# Altium PCB SSR IO copy.PcbDoc (continued)
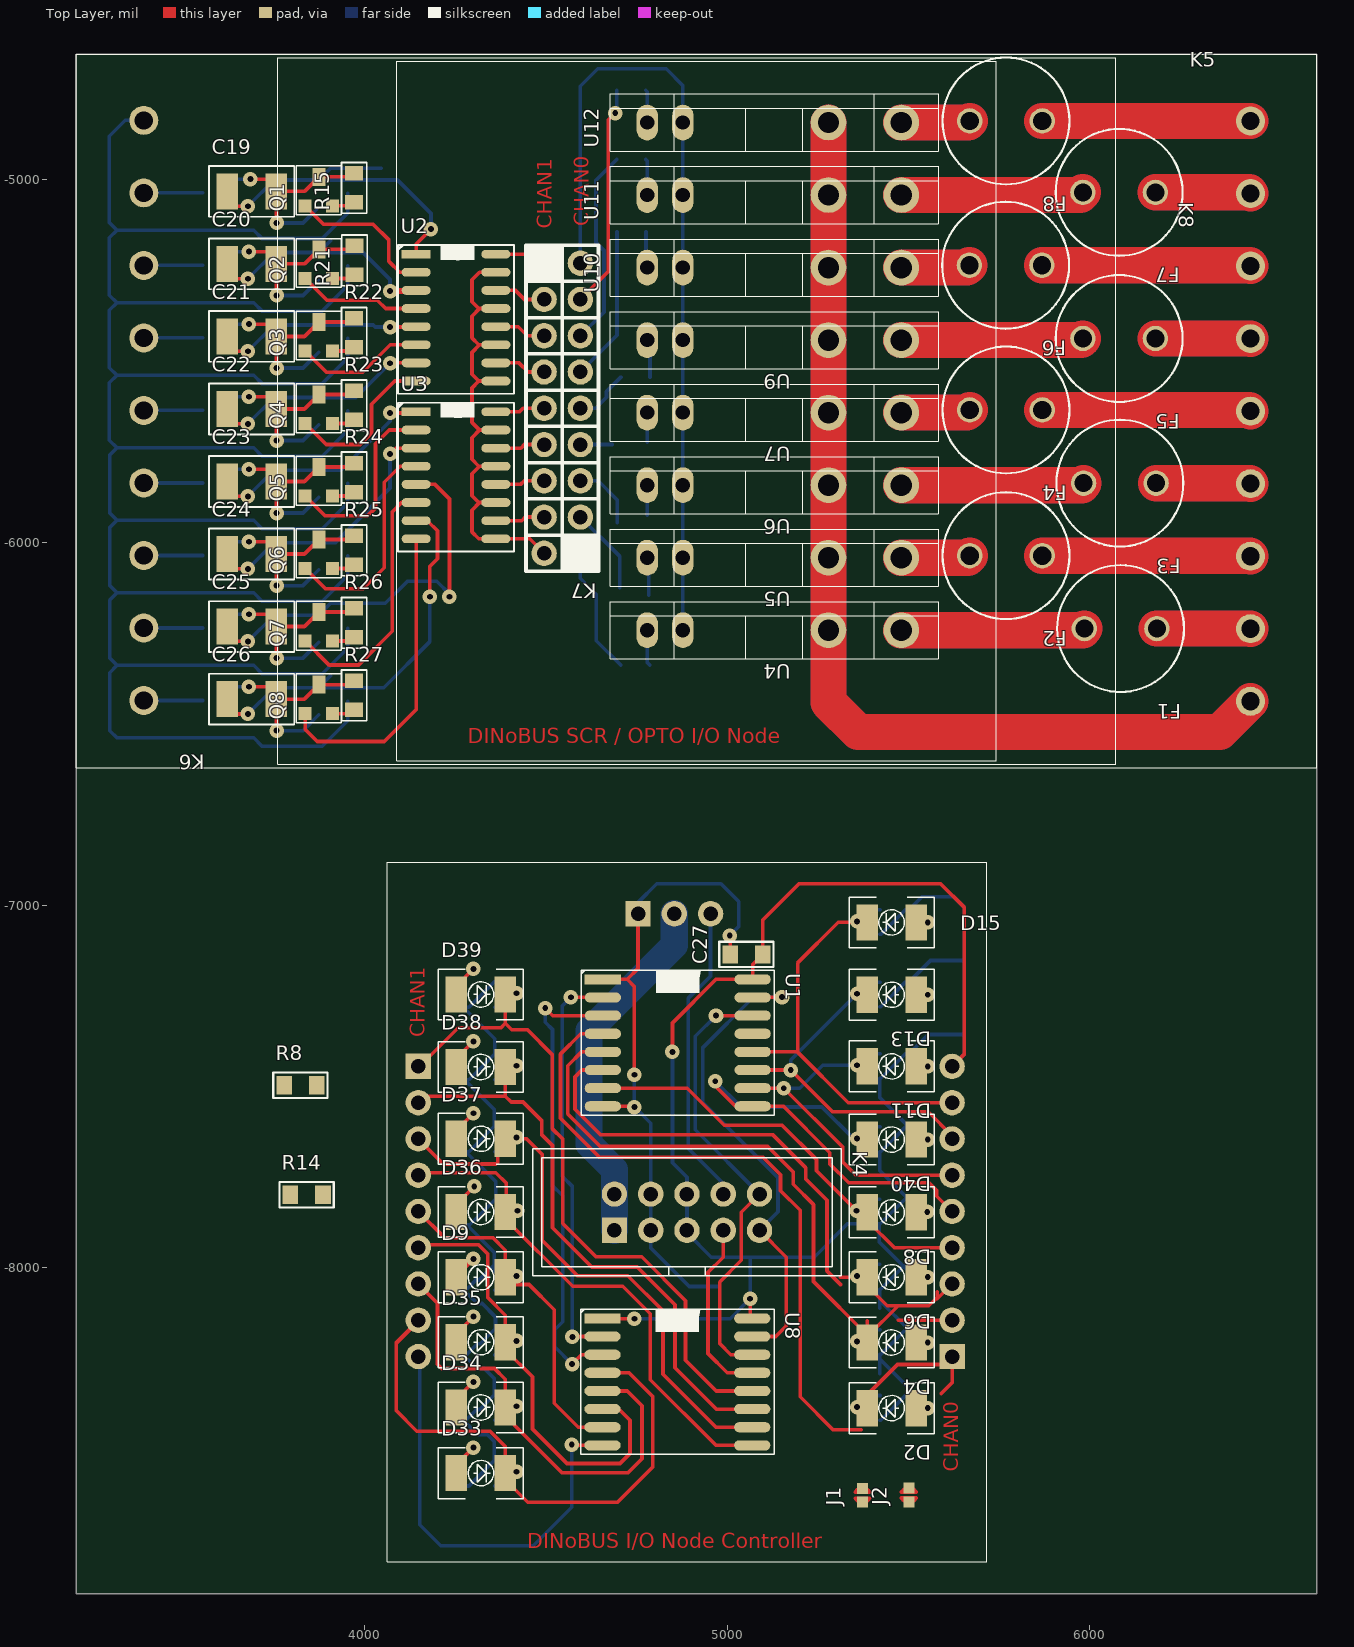
[diagram p0: Top Layer view]
## Nets (pads, with @x,y where several pads share a name; then routed paths per layer and width w, separated by ;. In a path a pad name is that pad's centre, name@x,y a point inside that pad or via, vN(x,y) a via of type N, cw(c..) or ccw(c..) an arc to the next point about the centre after c; other vN are vias at no path point) (continued)
NetC19_1: C19.1 D17.2 D18.2 U2.1 | length 1037.2
  Top Layer w10: C19.1 3631.25,-5042.25 3631.25,-5059.25 3645,-5073 v1(3678,-5073) ; U2.1@4163,-5205 U2.1 4142,-5177 v1(4183,-5136)
  Bottom Layer w10: D18.2 v1(3678,-5073) 3750.52,-5000.48 D17.2 ; 4045,-4968 3906,-4968 D17.2 ; v1(4183,-5136) 4183,-5093 4090.48,-5000.48 D17.2
NetC19_2: C19.2 D17.1 D18.1 Q1.G R15.2 | length 600.5
  Top Layer w10: v1@3680,-4998 C19.2@3780,-4998 ; v1(3757,-5119) 3757,-5033 C19.2 3834,-5032 Q1.G R15.2@3971,-4992
  Bottom Layer w10: D18.1 v1@3680,-4998 ; v1(3757,-5119) 3830,-5119 D17.1
  other v1: 3685,-4998
NetC20_1: C20.1 D19.2 D20.2 U2.3 | length 732.6
  Top Layer w10: C20.1 3631.25,-5242.25 3631.25,-5259.25 3645,-5273 v1(3678,-5273)
  Top Layer w16: v1(4070,-5307) 4140,-5307 U2.3
  Bottom Layer w10: D20.2 v1(3678,-5273) 3750.52,-5200.48 D19.2 ; 3906,-5168 D19.2 ; v1@4070,-5306 4070,-5275 3995.48,-5200.48 D19.2
  Bottom Layer w16: v1(4070,-5307) v1@4070,-5306
NetC20_2: C20.2 D19.1 D20.1 Q2.G R21.2 | length 599.1
  Top Layer w10: v1@3680,-5198 C20.2@3780,-5198 ; C20.2 3834,-5232 Q2.G R21.2@3971,-5192 ; v1(3757,-5319) C20.2@3757,-5233
  Bottom Layer w10: D20.1 v1@3680,-5198 ; v1(3757,-5319) 3830,-5319 D19.1
  other v1: 3681,-5198
NetC21_1: C21.1 D21.2 D22.2 U2.5 | length 625.7
  Top Layer w10: C21.1 3631.25,-5442.25 3631.25,-5459.25 3645,-5473 v1(3678,-5473) ; v1(4070,-5406) 4141,-5406 U2.5
  Bottom Layer w10: D22.2 v1(3678,-5473) 3750.52,-5400.48 D21.2 4023.48,-5400.48 4029,-5406 v1(4070,-5406)
NetC21_2: C21.2 D21.1 D22.1 Q3.G R22.2 | length 599.1
  Top Layer w10: v1@3680,-5398 C21.2@3780,-5398 ; C21.2 3834,-5432 Q3.G R22.2@3971,-5392 ; v1(3757,-5519) C21.2@3757,-5433
  Bottom Layer w10: D22.1 v1@3680,-5398 ; v1(3757,-5519) 3830,-5519 D21.1
  other v1: 3681,-5398
NetC22_1: C22.1 D23.2 D24.2 U2.7 | length 662.5
  Top Layer w10: C22.1 3631.25,-5642.25 3631.25,-5659.25 3645,-5673 v1(3678,-5673) ; v1(4070,-5506) 4071,-5505 U2.7
  Bottom Layer w10: D24.2 v1(3678,-5673) 3750.52,-5600.48 D23.2 3975.52,-5600.48 v1(4070,-5506)
NetC22_2: C22.2 D23.1 D24.1 Q4.G R23.2 | length 599.1
  Top Layer w10: v1@3680,-5598 C22.2@3780,-5598 ; C22.2 3834,-5632 Q4.G R23.2@3971,-5592 ; v1(3757,-5719) C22.2@3757,-5633
  Bottom Layer w10: D24.1 v1@3680,-5598 ; v1(3757,-5719) 3830,-5719 D23.1
  other v1: 3681,-5598
NetC23_1: C23.1 D25.2 D26.2 U3.1 | length 702.9
  Top Layer w10: C23.1 3631.25,-5842.25 3631.25,-5859.25 3645,-5873 v1(3678,-5873) ; v1(4070,-5643) 4139,-5643 U3.1
  Bottom Layer w10: D26.2 v1(3678,-5873) 3750.52,-5800.48 3935.52,-5800.48 4070,-5666 v1(4070,-5643)
NetC23_2: C23.2 D25.1 D26.1 Q5.G R24.2 | length 599.1
  Top Layer w10: v1@3680,-5798 C23.2@3780,-5798 ; C23.2 3834,-5832 Q5.G R24.2@3971,-5792 ; v1(3757,-5919) C23.2@3757,-5833
  Bottom Layer w10: D26.1 v1@3680,-5798 ; v1(3757,-5919) 3830,-5919 D25.1
  other v1: 3681,-5798
NetC24_1: C24.1 D27.2 D28.2 U3.3 | length 785.9
  Top Layer w10: C24.1 3631.25,-6042.25 3631.25,-6059.25 3645,-6073 v1(3678,-6073) ; v1(4070,-5756) 4086,-5740 U3.3
  Bottom Layer w10: D28.2 v1(3678,-6073) 3750.52,-6000.48 D27.2 3919.52,-6000.48 4070,-5850 v1(4070,-5756)
NetC24_2: C24.2 D27.1 D28.1 Q6.G R25.2 | length 599.1
  Top Layer w10: v1@3680,-5998 C24.2@3780,-5998 ; C24.2 3834,-6032 Q6.G R25.2@3971,-5992 ; v1(3757,-6119) C24.2@3757,-6033
  Bottom Layer w10: D28.1 v1@3680,-5998 ; v1(3757,-6119) 3830,-6119 D27.1
  other v1: 3681,-5998
NetC25_1: C25.1 D29.2 D30.2 U3.5 | length 1154.8
  Top Layer w10: C25.1 3631.25,-6242.25 3631.25,-6259.25 3645,-6273 v1(3678,-6273) ; U3.5 4194,-5840 4234,-5880 v1(4234,-6150)
  Bottom Layer w10: D30.2 v1(3678,-6273) 3750.52,-6200.48 D29.2 3906,-6168 4057,-6168 4118,-6107 4199,-6107 4234,-6142 v1(4234,-6150)
NetC25_2: C25.2 D29.1 D30.1 Q7.G R26.2 | length 599.1
  Top Layer w10: v1@3680,-6198 C25.2@3780,-6198 ; C25.2 3834,-6232 Q7.G R26.2@3971,-6192 ; v1(3757,-6319) C25.2@3757,-6233
  Bottom Layer w10: D30.1 v1@3680,-6198 ; v1(3757,-6319) 3830,-6319 D29.1
  other v1: 3681,-6198
NetC26_1: C26.1 D31.2 D32.2 U3.7 | length 1144
  Top Layer w10: C26.1 3631.25,-6442.25 3631.25,-6459.25 3645,-6473 v1(3678,-6473) ; U3.7 4173,-5940 4201,-5968 4201,-6045 4180,-6066 v1(4180,-6150)
  Bottom Layer w10: D32.2 v1(3678,-6473) 3750.52,-6400.48 D31.2 ; 3906,-6368 D31.2 ; v1(4180,-6150) 4180,-6273 4052.52,-6400.48 D31.2
NetC26_2: C26.2 D31.1 D32.1 Q8.G R27.2 | length 599.1
  Top Layer w10: v1@3680,-6398 C26.2@3780,-6398 ; C26.2 3834,-6432 Q8.G R27.2@3971,-6392 ; v1(3757,-6519) C26.2@3757,-6433
  Bottom Layer w10: D32.1 v1@3680,-6398 ; v1(3757,-6519) 3830,-6519 D31.1
  other v1: 3681,-6398
NetD2_A: D2.A R43.1 | length 97.4
  Top Layer w10: D2.A v1(5553,-8387.42)
  Bottom Layer w10: R43.1 5519.83,-8420.58 v1(5553,-8387.42)
NetD2_K: D2.K K2.1 R35.1 U1.4 | length 2299.8
  Top Layer w10: U1.4 4596,-7355 4540,-7411 4540,-7588 4647,-7695 5098,-7695 5147,-7744 5147,-7788 5201,-7842 5201,-8356 5292.42,-8447.42 5369,-8447.42 ; D2.K@5369,-8387.42 D2.K ; D2.K@5369,-8367.42 5469.42,-8267 K2.1@5590,-8267 ; 5590,-8347 5620,-8317 K2.1
  Bottom Layer w10: v1(5358,-8384.58) 5390.11,-8352.48 R35.1
NetD4_A: D4.A R44.1 | length 97.4
  Top Layer w10: D4.A v1(5553,-8206.42)
  Bottom Layer w10: R44.1 5519.83,-8239.58 v1(5553,-8206.42)
NetD4_K: D4.K K2.2 R36.1 U1.5 | length 1874.4
  Top Layer w10: U1.5 4598,-7405 4560,-7443 4560,-7576 4650,-7666 5112,-7666 5182,-7736 5182,-7770 5238,-7826 5238,-8038 D4.K@5386.3,-8186.3 ; D4.K D4.K@5386.3,-8190 ; 5386.3,-8146.3 D4.K@5386.3,-8190 ; 5471.3,-8145 K2.2 ; 5471.3,-8105 D4.K@5386.3,-8190
  Bottom Layer w10: v1(5358,-8203.58) 5390.11,-8171.48 R36.1
NetD6_A: D6.A R45.1 | length 97.4
  Top Layer w10: D6.A@5521.25,-8025.92 v1(5552.94,-8025.92)
  Bottom Layer w10: R45.1 5519.78,-8059.09 v1(5552.94,-8025.92)
NetD6_K: D6.K K2.3 R37.1 U1.6 | length 1711.8
  Top Layer w10: U1.6 4599,-7455 4580,-7474 4580,-7563 4650,-7633 5125,-7633 5216,-7724 5216,-7755 5275,-7814 5275,-8009 5312.42,-8046.42 ; 5312.42,-8026.42 D6.K 5386.3,-8050.08 5441.22,-8105 5556,-8105 5579,-8082 5579,-8066 ; 5579,-8086 K2.3
  Bottom Layer w10: v1(5357.94,-8023.09) 5390.05,-7990.98 R37.1
NetD8_A: D8.A R46.1 | length 97.4
  Top Layer w10: D8.A@5519.94,-7846.09 v1(5551.64,-7846.09)
  Bottom Layer w10: R46.1 5518.47,-7879.26 v1(5551.64,-7846.09)
NetD8_K: D8.K K2.4 R38.1 U1.7 | length 1221.6
  Top Layer w10: U1.7 4890,-7505 4992,-7607 5151,-7607 5246,-7702 5246,-7732.62 v1(5356.64,-7843.26) ; D8.K 5386.3,-7870.3 5461,-7945 K2.4
  Bottom Layer w10: v1(5356.64,-7843.26) 5388.75,-7811.15 R38.1
NetD9_A: D9.A R3.1 | length 93.6
  Top Layer w10: D9.A@4253,-8003 D9.A@4253,-8023 ; v1(4300,-7976) D9.A@4253,-8023 ; D9.A@4253,-8023 D9.A D9.A@4253,-8023
NetD9_K: D9.K K1.5 R30.1 U8.7 | length 1017.2
  Top Layer w10: K1.5 4220,-7917 4353,-7917 4388,-7952 D9.K ; D9.K@4388,-8046.58 4453.58,-8046.58 4523,-8116 4523,-8374 4589,-8440 U8.7
  Bottom Layer w10: R30.1 4380,-8062 v1(4419,-8023)
NetD11_A: D11.A R48.1 | length 97.4
  Top Layer w10: D11.A v1(5553,-7444.83)
  Bottom Layer w10: R48.1 5519.83,-7478 v1(5553,-7444.83)
NetD11_K: D11.K K2.6 R40.1 U1.10 | length 978
  Top Layer w10: U1.10 v1(5156,-7505) 5319,-7668 5319,-7709 5355,-7745 K2.6
  Bottom Layer w10: v1(5156,-7505) 5200,-7505 5263,-7442 v1(5358,-7442) 5390.11,-7409.89 R40.1
NetD13_A: D13.A R49.1 | length 97.4
  Top Layer w10: D13.A v1(5553,-7247.42)
  Bottom Layer w10: R49.1 5519.83,-7280.58 v1(5553,-7247.42)
NetD13_K: D13.K K2.7 R41.1 U1.11 | length 996.6
  Top Layer w10: U1.11 v1(5175,-7455) 5290,-7570 5554,-7570 5620,-7636 K2.7
  Bottom Layer w10: v1(5175,-7455) 5175,-7427.58 v1(5358,-7244.58) 5390.11,-7212.48 R41.1
NetD15_A: D15.A R50.1 | length 97.4
  Top Layer w10: D15.A v1(5553,-7047.83)
  Bottom Layer w10: R50.1 5519.83,-7081 v1(5553,-7047.83)
NetD15_K: D15.K K2.8 R42.1 U1.12 | length 1168.2
  Top Layer w10: U1.12 5194,-7405 ; D15.K 5306.17,-7047.83 5194,-7160 5194,-7405 ; K2.8 5334,-7545 5194,-7405
  Bottom Layer w10: v1(5358,-7045) 5390.11,-7012.89 R42.1
NetD17_3: D17.3 D19.3 D21.3 D23.3 D25.3 D27.3 D29.3 D31.3 K6.1 | length 7733.4
  Bottom Layer w10: K6.1 3340,-4836 3296,-4880 3296,-5118 3317,-5139 ; D31.3 3953.52,-6491.48 3883,-6562 3717,-6562 3694,-6539 3317,-6539 3297,-6519 3297,-6359 3317,-6339 ; D29.3 3953.52,-6291.48 3883,-6362 3717,-6362 3694,-6339 3317,-6339 ; D27.3 3953.52,-6091.48 3883,-6162 3717,-6162 3694,-6139 3317,-6139 ; D25.3 3953.52,-5891.48 3883,-5962 3717,-5962 3694,-5939 3317,-5939 ; D23.3 3953.52,-5691.48 3883,-5762 3717,-5762 3694,-5739 3317,-5739 ; D21.3 3953.52,-5491.48 3883,-5562 3717,-5562 3694,-5539 3317,-5539 ; D19.3 3953.52,-5291.48 3883,-5362 3717,-5362 3694,-5339 3317,-5339 ; D17.3 3953.52,-5091.48 3883,-5162 3717,-5162 3694,-5139 3317,-5139 ; 3317,-6339 3297,-6319 3297,-6159 3317,-6139 ; 3317,-6139 3297,-6119 3297,-5959 3317,-5939 ; 3317,-5939 3297,-5919 3297,-5759 3317,-5739 ; 3317,-5739 3296,-5718 3296,-5560 3317,-5539 ; 3317,-5539 3296,-5518 3296,-5360 3317,-5339 ; 3317,-5339 3296,-5318 3296,-5160 3317,-5139
NetD18_3: D18.3 K6.2 | length 169
  Bottom Layer w10: K6.2 D18.3 D18.3@3546,-5036
NetD20_3: D20.3 K6.3 | length 162
  Bottom Layer w10: K6.3 D20.3
NetD22_3: D22.3 K6.4 | length 162
  Bottom Layer w10: K6.4 D22.3
NetD24_3: D24.3 K6.5 | length 162
  Bottom Layer w10: K6.5 D24.3
NetD26_3: D26.3 K6.6 | length 162
  Bottom Layer w10: K6.6 D26.3
NetD28_3: D28.3 K6.7 | length 162
  Bottom Layer w10: K6.7 D28.3
NetD30_3: D30.3 K6.8 | length 162
  Bottom Layer w10: K6.8 D30.3
NetD32_3: D32.3 K6.9 | length 162
  Bottom Layer w10: K6.9 D32.3
NetD33_A: D33.A R1.1 | length 90.1
  Top Layer w10: D33.A 4253,-8543 v1(4300,-8496)
NetD33_K: D33.K K1.8 R9.1 U8.4 | length 1708.6
  Top Layer w10: K1.8 4087,-8206 4087,-8209.58 ; K1.8@4152,-8144.58 4087,-8209.58 ; U8.4 4729,-8290 4795,-8356 4795,-8549 4697.42,-8646.58 4449.58,-8646.58 4388,-8585 D33.K 4388,-8493 4346,-8451 4144,-8451 4087,-8394 4087,-8209.58
  Bottom Layer w10: R9.1 4380,-8602 v1(4419,-8563)
NetD34_A: D34.A R2.1 | length 90.1
  Top Layer w10: D34.A 4253,-8362 v1(4300,-8315)
NetD34_K: D34.K K1.7 R28.1 U8.5 | length 1354.7
  Top Layer w10: K1.7 4201,-8098 4201,-8266 4213,-8278 4358,-8278 4388,-8308 D34.K 4388,-8409 4545,-8566 4726,-8566 4765,-8527 4765,-8381 4724,-8340 U8.5
  Bottom Layer w10: R28.1 4380,-8421 v1(4419,-8382)
NetD35_A: D35.A R13.1 | length 90.1
  Top Layer w10: D35.A 4253,-8182 v1(4300,-8135)
NetD35_K: D35.K K1.6 R29.1 U8.6 | length 1335.7
  Top Layer w10: K1.6@4169.41,-7962 4152,-7944.58 4159.58,-7937 4314,-7937 4340,-7963 4340,-8083 4388,-8131 D35.K 4388,-8226 4463,-8301 4463,-8445 4558,-8540 4704.42,-8540 4732,-8512.42 4732,-8421 4701,-8390 U8.6
  Bottom Layer w10: R29.1 4380,-8241 v1(4419,-8202)
NetD36_A: D36.A R4.1 | length 90.1
  Top Layer w10: D36.A@4255.4,-7846.58 4255.4,-7823 v1(4302.4,-7776)
NetD36_K: D36.K K1.4 R31.1 U8.9 | length 1475.4
  Top Layer w10: K1.4@4152,-7744.58 4158.58,-7738 4362,-7738 4390.4,-7766.4 4390.4,-7844.18 D36.K 4388,-7866 4573.59,-8051.59 4712.12,-8051.59 4788,-8127.47 4788,-8309 4969,-8490 U8.9
  Bottom Layer w10: R31.1 4382.4,-7882 v1(4421.4,-7843)
NetD37_A: D37.A R5.1 | length 90.1
  Top Layer w10: D37.A 4253,-7621 v1(4300,-7574)
NetD37_K: D37.K K1.3 R32.1 U8.10 | length 1591.6
  Top Layer w10: K1.3 4217,-7714 4362,-7714 4367,-7709 4367,-7695 ; D37.K 4446.58,-7644.58 4490,-7688 4490,-7925 4587,-8022 4726,-8022 4823,-8119 4823,-8294 4969,-8440 U8.10
  Bottom Layer w10: R32.1 4380,-7680 v1(4419,-7641)
NetD38_A: D38.A R6.1 | length 90.1
  Top Layer w10: D38.A 4253,-7423 v1(4300,-7376)
NetD38_K: D38.K K1.2 R33.1 U8.11 | length 1696.1
  Top Layer w10: K1.2@4152,-7544.58 4169.58,-7527 4388,-7527 ; D38.K 4388,-7527 ; U8.11 4970,-8390 4856,-8276 4856,-8102 4752,-7998 4626,-7998 4518,-7890 4518,-7663 4488,-7633 4488,-7594 4437,-7543 4404,-7543 4388,-7527
  Bottom Layer w10: R33.1 4380,-7482 v1(4419,-7443)
NetD39_A: D39.A R7.1 | length 90.1
  Top Layer w10: D39.A 4253,-7223 v1(4300,-7176)
NetD39_K: D39.K K1.1 R34.1 U8.12 | length 1893.8
  Top Layer w10: K1.1@4152,-7444.58 4258.58,-7338 4376,-7338 4388,-7326 ; D39.K 4388,-7326 ; U8.12 4970,-8340 4885,-8255 4885,-8091 4764,-7970 4638,-7970 4546,-7878 4546,-7645 4517,-7616 4517,-7412 4449,-7344 4406,-7344 4388,-7326
  Bottom Layer w10: R34.1 4380,-7282 v1(4419,-7243)
NetD40_A: D40.A R47.1 | length 97.4
  Top Layer w10: D40.A v1(5553,-7646.83)
  Bottom Layer w10: R47.1 5519.83,-7680 v1(5553,-7646.83)
NetD40_K: D40.K K2.5 R39.1 U1.9 | length 1369.7
  Top Layer w10: v1(4967,-7486) 4967,-7499 5023,-7555 U1.9 5155,-7555 5283,-7683 5283,-7714 5335,-7766 5557,-7766 5578,-7787 5578,-7803 K2.5
  Bottom Layer w10: v1(4967,-7486) 5038,-7557 5261,-7557 5348,-7644 v1(5358,-7644) 5390.11,-7611.89 R39.1
NetF1_1: F1.1 K5.2 | length 516.9
  Top Layer w100: F1.1 6442.58,-6237.58 K5.2
  Bottom Layer w100: F1.1 6442.58,-6237.58 K5.2
NetF1_2: F1.2 U4.AC1 | length 1013.1
  Top Layer w100: U4.AC1 5980.31,-6242 F1.2
  Bottom Layer w100: U4.AC1 5980.31,-6242 F1.2
NetF2_1: F2.1 K5.3 | length 1149.7
  Top Layer w100: F2.1 6441.58,-6036.58 K5.3
  Bottom Layer w100: F2.1 6441.58,-6036.58 K5.3
NetF2_2: F2.2 U5.AC1 | length 381.9
  Top Layer w100: U5.AC1 5663.31,-6042 F2.2
  Bottom Layer w100: U5.AC1 5663.31,-6042 F2.2
NetF3_1: F3.1 K5.4 | length 521.7
  Top Layer w100: F3.1 6441.58,-5836.58 K5.4
  Bottom Layer w100: F3.1 6441.58,-5836.58 K5.4
NetF3_2: F3.2 U6.AC1 | length 1009.9
  Top Layer w100: U6.AC1 5977.31,-5842 F3.2
  Bottom Layer w100: U6.AC1 5977.31,-5842 F3.2
NetF4_1: F4.1 K5.5 | length 1151.4
  Top Layer w100: F4.1 6439.58,-5634.58 K5.5
  Bottom Layer w100: F4.1 6439.58,-5634.58 K5.5
NetF4_2: F4.2 U7.AC1 | length 383.6
  Top Layer w100: U7.AC1 5661.31,-5642 F4.2
  Bottom Layer w100: U7.AC1 5661.31,-5642 F4.2
NetF5_1: F5.1 K5.6 | length 524.9
  Top Layer w100: F5.1 6442.58,-5437.58 K5.6
  Bottom Layer w100: F5.1 6442.58,-5437.58 K5.6
NetF5_2: F5.2 U9.AC1 | length 1005.1
  Top Layer w100: U9.AC1 5976.31,-5442 F5.2
  Bottom Layer w100: U9.AC1 5976.31,-5442 F5.2
NetF6_1: F6.1 K5.7 | length 1152.5
  Top Layer w100: F6.1 6440.58,-5235.58 K5.7
  Bottom Layer w100: F6.1 6440.58,-5235.58 K5.7
NetF6_2: F6.2 U10.AC1 | length 380.8
  Top Layer w100: U10.AC1 5661.31,-5242 F6.2
  Bottom Layer w100: U10.AC1 5661.31,-5242 F6.2
NetF7_1: F7.1 K5.8 | length 527.4
  Top Layer w100: F7.1 6439.58,-5034.58 K5.8
  Bottom Layer w100: F7.1 6439.58,-5034.58 K5.8
NetF7_2: F7.2 U11.AC1 | length 1007.6
  Top Layer w100: U11.AC1 5973.31,-5042 F7.2
  Bottom Layer w100: U11.AC1 5973.31,-5042 F7.2
NetF8_1: F8.1 K5.9 | length 1148.9
  Top Layer w100: F8.1 6442.58,-4837.58 K5.9
  Bottom Layer w100: F8.1 6442.58,-4837.58 K5.9
NetF8_2: F8.2 U12.AC1 | length 381.1
  Top Layer w100: U12.AC1 5664.31,-4842 F8.2
  Bottom Layer w100: U12.AC1 5664.31,-4842 F8.2
NetJ1_1: J1.1 R8.1 U1.3 U8.3 | length 1293.3
  Top Layer w10: v1(4498,-7284) 4519,-7305 U1.3 ; v1(4572,-8266) 4598,-8240 U8.3
  Bottom Layer w10: v1(4498,-7284) 4498,-7323 4518,-7343 4518,-7774 4546,-7802 4546,-8149 4524,-8171 4524,-8218 v1(4572,-8266)
NetJ2_1: J2.1 R14.1 U1.2 U8.2 | length 1129.7
  Top Layer w10: v1(4569,-7254.5) 4656.5,-7254.5 U1.2 ; v1(4573,-8191) 4574,-8190 U8.2
  Bottom Layer w10: v1(4569,-7254.5) 4545,-7278.5 4545,-7748 4573,-7776 v1(4573,-8191)
NetK3_2: K3.2 K4.1 K4.2 | length 999.3
  Bottom Layer w75: K4.1 K4.2 4689,-7729.5 4619,-7659.5 4619,-7346 4854,-7111 K3.2
NetK3_3: K3.3 K4.8 | length 838.9
  Bottom Layer w10: K3.3 4954,-7196 4892,-7258 4892,-7671 4989,-7768 K4.8
NetK4_7: K4.7 U8.13 | length 501.4
  Top Layer w10: K4.7 4989,-7971 4947,-8013 4947,-8237 5000,-8290 U8.13
NetK4_9: K4.9 U1.15 U8.15 | length 1369.2
  Top Layer w10: U8.15 5134,-8190 5163,-8161 5163,-7971 K4.9 ; U1.15 5071,-7254 v1(5151,-7254)
  Bottom Layer w10: K4.9 5139.85,-7846.15 5139.85,-7751.85 4932,-7544 4932,-7394 5072,-7254 v1(5151,-7254)
NetK4_10: K4.10 U1.14 U8.14 | length 1250.3
  Top Layer w10: v1(4969,-7305) U1.14 ; U8.14 5010,-8240 4979,-8209 4979,-8039.79 5039,-7979.79 5039,-7847 K4.10
  Bottom Layer w10: v1(4969,-7305) 4912,-7362 4912,-7620 K4.10
NetK5_1: K5.1 U4.AC2 U5.AC2 U6.AC2 U7.AC2 U9.AC2 U10.AC2 U11.AC2 U12.AC2 | length 5664.2
  Top Layer w100: U12.AC2 U11.AC2 U10.AC2 U9.AC2 U7.AC2 U6.AC2 5279.21,-6441.21 5361,-6523 6358,-6523 K5.1
  Bottom Layer w100: U12.AC2 U11.AC2 U10.AC2 U9.AC2 U7.AC2 U6.AC2 5279.21,-6441.21 5361,-6523 6358,-6523 K5.1
NetK7_1: K7.1 R10.1 | length 354
  Bottom Layer w10: K7.1 4595,-6099 4639,-6143 4639,-6271 R10.1
NetK7_2: K7.2 R11.1 | length 240.3
  Bottom Layer w10: K7.2 4704,-6039 R11.1@4704,-6125.14
NetK7_3: K7.3 R12.1 | length 186
  Bottom Layer w10: K7.3 4644.12,-5830 4697,-5882.88 R12.1
NetK7_4: K7.4 R16.1 | length 87.8
  Bottom Layer w10: K7.4 R16.1@4682.8,-5730
NetK7_5: K7.5 R17.1 | length 157
  Bottom Layer w10: K7.5 4637,-5630 4667,-5600 4667,-5584 R17.1
NetK7_6: K7.6 R18.1 | length 427.8
  Bottom Layer w10: K7.6 4696,-5429 R18.1@4696,-5144
NetK7_7: K7.7 R19.1 | length 545.6
  Bottom Layer w10: K7.7 4660,-5365 4660,-5195 4638,-5173 4638,-5001 R19.1@4695,-4944
NetK7_8: K7.8 R20.1 | length 618.4
  Top Layer w10: K7.8 4672,-5253 4672,-4835 v1(4691,-4816)
  Bottom Layer w10: v1(4691,-4816) 4695,-4812 R20.1@4695,-4753
NetK7_9: K7.9 U4.A U5.A U6.A U7.A U9.A U10.A U11.A U12.A | length 2311.8
  Bottom Layer w10: K7.9 4595,-4742 4643,-4694 4832,-4694 4877.64,-4739.64 U12.A U11.A U10.A U9.A U7.A U6.A U5.A U4.A
NetK8_1: K8.1 U2.16 | length 143.4
  Top Layer w10: U2.16 4470,-5205 K8.1
NetK8_2: K8.2 U2.14 | length 143.4
  Top Layer w10: U2.14 4416,-5305 4441,-5330 K8.2
NetK8_3: K8.3 U2.12 | length 143.4
  Top Layer w10: U2.12 4424,-5405 4449,-5430 K8.3
NetK8_4: K8.4 U2.10 | length 143.4
  Top Layer w10: U2.10 4426,-5505 4451,-5530 K8.4
NetK8_5: K8.5 U3.16 | length 137.1
  Top Layer w10: U3.16 4427,-5640 4437,-5630 K8.5
NetK8_6: K8.6 U3.14 | length 137.1
  Top Layer w10: U3.14 4431,-5740 4441,-5730 K8.6
NetK8_7: K8.7 U3.12 | length 137.1
  Top Layer w10: U3.12 4430,-5840 4440,-5830 K8.7
NetK8_8: K8.8 U3.10 | length 137.1
  Top Layer w10: U3.10 4433,-5940 4443,-5930 K8.8
NetK8_9: K8.9 U2.9 U2.11 U2.13 U2.15 U3.9 U3.11 U3.13 U3.15 | length 1364.6
  Top Layer w10: 4315,-5890 4296,-5871 4296,-5811 4317,-5790 U3.13 ; 4315,-5790 4296,-5771 4296,-5711 4317,-5690 ; 4315,-5455 4296,-5436 4296,-5376 4317,-5355 U2.13 ; 4315,-5355 4296,-5336 4296,-5276 4317,-5255 U2.15 ; U3.11 4317,-5890 4296,-5911 4296,-5971 4315,-5990 U3.9 4455,-5990 K8.9 ; U3.15 4317,-5690 ; U2.9 4315,-5555 ; U2.11 4317,-5455 4296,-5476 4296,-5536 4315,-5555 ; 4315,-5555 4296,-5574 4296,-5669 4317,-5690
NetQ1_D: Q1.D U2.2 | length 416.4
  Top Layer w10: Q1.D 3887,-5123 4024,-5123 4067,-5166 4067,-5225 4097,-5255 U2.2
NetQ1_S: Q1.S R15.1 | length 60
  Top Layer w10: Q1.S R15.1@3971,-5072
NetQ2_D: Q2.D U2.4 | length 340.4
  Top Layer w10: Q2.D 3896,-5332 4035,-5332 4058,-5355 U2.4
NetQ2_S: Q2.S R21.1 | length 60
  Top Layer w10: Q2.S R21.1@3971,-5272
NetQ3_D: Q3.D U2.6 | length 361.9
  Top Layer w10: Q3.D 3895,-5531 3995,-5531 4071,-5455 U2.6
NetQ3_S: Q3.S R22.1 | length 60
  Top Layer w10: Q3.S R22.1@3971,-5472
NetQ4_D: Q4.D U2.8 | length 449.4
  Top Layer w10: Q4.D 3894,-5730 3988,-5730 4019,-5699 4019,-5619 4083,-5555 U2.8
NetQ4_S: Q4.S R23.1 | length 60
  Top Layer w10: Q4.S R23.1@3971,-5672
NetQ5_D: Q5.D U3.2 | length 529.8
  Top Layer w10: Q5.D 3890,-5926 4009,-5926 4030,-5905 4030,-5728 4068,-5690 U3.2
NetQ5_S: Q5.S R24.1 | length 60
  Top Layer w10: Q5.S R24.1@3971,-5872
NetQ6_D: Q6.D U3.4 | length 607.4
  Top Layer w10: Q6.D 3892,-6128 3996,-6128 4054,-6070 4054,-5834 4098,-5790 U3.4
NetQ6_S: Q6.S R25.1 | length 60
  Top Layer w10: Q6.S R25.1@3971,-6072
NetQ7_D: Q7.D U3.6 | length 711.7
  Top Layer w10: Q7.D 3902,-6338 3983,-6338 4076,-6245 4076,-5915.88 4101.88,-5890 U3.6
NetQ7_S: Q7.S R26.1 | length 60
  Top Layer w10: Q7.S R26.1@3971,-6272
NetQ8_D: Q8.D U3.8 | length 871.1
  Top Layer w10: Q8.D 3836,-6516 3869,-6549 4054,-6549 4142,-6461 U3.8
NetQ8_S: Q8.S R27.1 | length 60
  Top Layer w10: Q8.S R27.1@3971,-6472
NetR10_2: R10.2 U4.K | length 98.8
  Bottom Layer w10: U4.K 4779.21,-6331.21 R10.2
NetR11_2: R11.2 U5.K | length 108.1
  Bottom Layer w10: U5.K@4777,-6039.79 U5.K 4784,-6046.79 R11.2
NetR12_2: R12.2 U6.K | length 83.1
  Bottom Layer w10: R12.2@4779.21,-5925.12 U6.K
NetR16_2: R16.2 U7.K | length 81
  Bottom Layer w10: R16.2@4779.21,-5723.04 U7.K
NetR17_2: R17.2 U9.K | length 105.2
  Bottom Layer w10: U9.K 4787,-5449.79 R17.2
NetR18_2: R18.2 U10.K | length 99.3
  Bottom Layer w10: R18.2@4776,-5144 4776,-5238.79 U10.K
NetR19_2: R19.2 U11.K | length 99.7
  Bottom Layer w10: R19.2@4775,-4944 4779.21,-4948.21 U11.K
NetR20_2: R20.2 U12.K | length 90.7
  Bottom Layer w10: R20.2@4775,-4753 4779.21,-4757.21 U12.K
pads on no net: U1.13

## Other copper
Top Layer:
  text "CHAN0" at 4618,-5127.5 h40 r90
  text "CHAN1" at 4516,-5135.5 h40 r90
  text "DINoBUS SCR / OPTO I/O Node" at 4284,-6568 h70
  text "CHAN1" at 4166,-7364 h40 r90
  text "CHAN0" at 5637,-8563 h40 r90
  text "DINoBUS I/O Node Controller" at 4449,-8787 h70

## Silkscreen, mask and mechanical layers (free items; w line width, h text height)
Top Overlay:
  lines w1: 3205,-6621 3205,-4654 6626,-4654 6626,-6621 3205,-6621 ; 3760,-6612 3760,-4663 6071,-4663 6071,-6612 3760,-6612 ; 4063,-8811 4063,-6882 5716,-6882 5716,-8811 4063,-8811 ; 4089,-6602 5742,-6602 5742,-4673 4089,-4673 4089,-6602
Mechanical 1:
  lines w1: 3829,-6036.58 6402.73,-6036.58 ; 3970,-6437.58 6403.73,-6437.58 ; 3970,-6237.58 6403.73,-6237.58 ; 3981,-5235.58 6401.73,-5235.58 ; 3989,-5836.58 6402.73,-5836.58 ; 4039,-5637.58 6403.73,-5637.58 ; 4039,-4837.58 6403.73,-4837.58 ; 4041,-5037.58 6403.73,-5037.58 ; 4074,-5437.58 6403.73,-5437.58
Mechanical 2:
  lines w1: 4063,-8669 4063,-8666 4208,-8666 ; 4063,-8646.58 5716,-8646.58 ; 4063,-8446.58 5716,-8446.58 ; 4063,-8245.58 5716,-8245.58 ; 4063,-8045.58 5716,-8045.58 ; 4063,-7846.58 5716,-7846.58 ; 4063,-7646.58 5716,-7646.58 ; 4063,-7444.58 5716,-7444.58 ; 4063,-7246.58 5716,-7246.58 ; 4063,-7046.58 5716,-7046.58 ; 4063,-7027 4208,-7027 ; 4063,-6921 4063,-6882 ; 4092,-8666 4063,-8695 4063,-8724 ; 4092,-7027 4063,-6998 4063,-6969 ; 4102,-8811 4063,-8811 ; 4121,-8666 4063,-8724 ; 4121,-7027 4063,-6969 ; 4150,-8666 4063,-8753 ; 4150,-7027 4063,-6940 ; 4151,-8811 4151,-8723 ; 4151,-8671 4151,-6970 ; 4151,-8518 4206.11,-8518 ; 4158,-6970 5628,-6970 ; 4179,-8666 4063,-8782 ; 4179,-7027 4063,-6911 ; 4205,-6882 4208,-6882 4208,-7027 ; 4208,-8811 4208,-8666 ; 4208,-8782 4179,-8811 4150,-8811 ; 4208,-8753 4150,-8811 ; 4208,-8724 4121,-8811 ; 4208,-8695 4092,-8811 ; 4208,-6998 4092,-6882 ; 4208,-6969 4121,-6882 ; 4208,-6940 4150,-6882 ; 4208,-6911 4179,-6882 4150,-6882 ; 4889.5,-8811 4889.5,-8097.5 4889.5,-7846.5 ; 5571,-8782 5600,-8811 5629,-8811 ; 5571,-8753 5629,-8811 ; 5571,-8724 5658,-8811 ; 5571,-8695 5687,-8811 ; 5571,-6998 5687,-6882 ; 5571,-6969 5658,-6882 ; 5571,-6940 5629,-6882 ; 5571,-6911 5600,-6882 5629,-6882 ; 5571,-6882 5571,-7027 ; 5571.3,-8457.42 5572.89,-8459 ; 5574,-8811 5571,-8811 5571,-8666 ; 5600,-8666 5716,-8782 ; 5600,-7027 5716,-6911 ; 5628,-8641 5628,-8723 ; 5629,-8666 5716,-8753 ; 5629,-7027 5716,-6940 ; 5658,-8666 5716,-8724 ; 5658,-7027 5716,-6969 ; 5677,-6882 5716,-6882 ; 5687,-8666 5716,-8695 5716,-8724 ; 5687,-7027 5716,-6998 5716,-6969 ; 5716,-8772 5716,-8811 ; 5716,-8666 5571,-8666 ; 5716,-7024 5716,-7027 5571,-7027 ; 4063,-8811 5716,-6882 ; 4063,-8811 4063,-6882 ; 4063,-8811 5716,-8811 ; 4063,-8811 4092,-8811 ; 4063,-8811 4063,-8782 ; 4063,-8811 4208,-8666 ; 4063,-8782 4063,-8753 ; 4063,-8753 4063,-8724 ; 4063,-6969 4063,-6940 ; 4063,-6940 4063,-6911 ; 4063,-6911 4063,-6882 ; 4063,-6882 5716,-8811 ; 4063,-6882 5716,-6882 ; 4063,-6882 5716,-6882 ; 4063,-6882 4208,-7027 ; 4063,-6882 4092,-6882 ; 4092,-8811 4121,-8811 ; 4092,-6882 4121,-6882 ; 4121,-8811 4150,-8811 ; 4121,-6882 4150,-6882 ; 4151,-8723 5628,-8723 ; 4151,-8723 4151,-6970 ; 4151,-8723 5628,-8723 ; 4151,-6970 5628,-6970 ; 5571,-8666 5716,-8811 ; 5571,-7027 5716,-6882 ; 5628,-8723 5628,-6970 ; 5629,-8811 5658,-8811 ; 5629,-6882 5658,-6882 ; 5658,-8811 5687,-8811 ; 5658,-6882 5687,-6882 ; 5687,-8811 5716,-8811 ; 5687,-6882 5716,-6882 ; 5716,-8811 5716,-6882 ; 5716,-8811 5716,-8782 ; 5716,-8782 5716,-8753 ; 5716,-8753 5716,-8724 ; 5716,-6969 5716,-6940 ; 5716,-6940 5716,-6911 ; 5716,-6911 5716,-6882
  text "NOGO" at 4113,-6928 h40 r315
  text "PLEXIBORDER" at 4738,-6943 h40
  text "NOGO" at 5620,-6973 h40 r45
  text "SCREW" at 4071,-7066 h40
  text "SCREW" at 4070,-7268 h40
  text "SCREW" at 4071,-7466 h40
  text "SCREW" at 4069,-7666 h40
  text "SCREW" at 4070,-7838.58 h40
  text "PLEXIBORDER" at 5702,-8016 h40 r90
  text "PLEXIBORDER" at 4137,-8030 h40 r90
  text "SCREW" at 4073,-8065 h40
  text "SCREW" at 4072,-8265 h40
  text "SCREW" at 4069,-8467 h40
  text "SCREW" at 4071,-8643 h40
  text "NOGO" at 5596,-8713 h40 r315
  text "PLEXIBORDER" at 4707,-8784 h40
  text "NOGO" at 4109,-8786 h40 r45